# Altium PCB PowerAMP.PcbDoc (part 4 of 4)
Units mm, origin at the board's own origin, x right, y up, seen from the top; angles counter-clockwise.
Board outline 211.5 x 142.58 mm, 2 copper layers (Top Layer, Bottom Layer), stack 1.635 mm thick; 274 components, 177 nets, 874 pads, 679 vias.
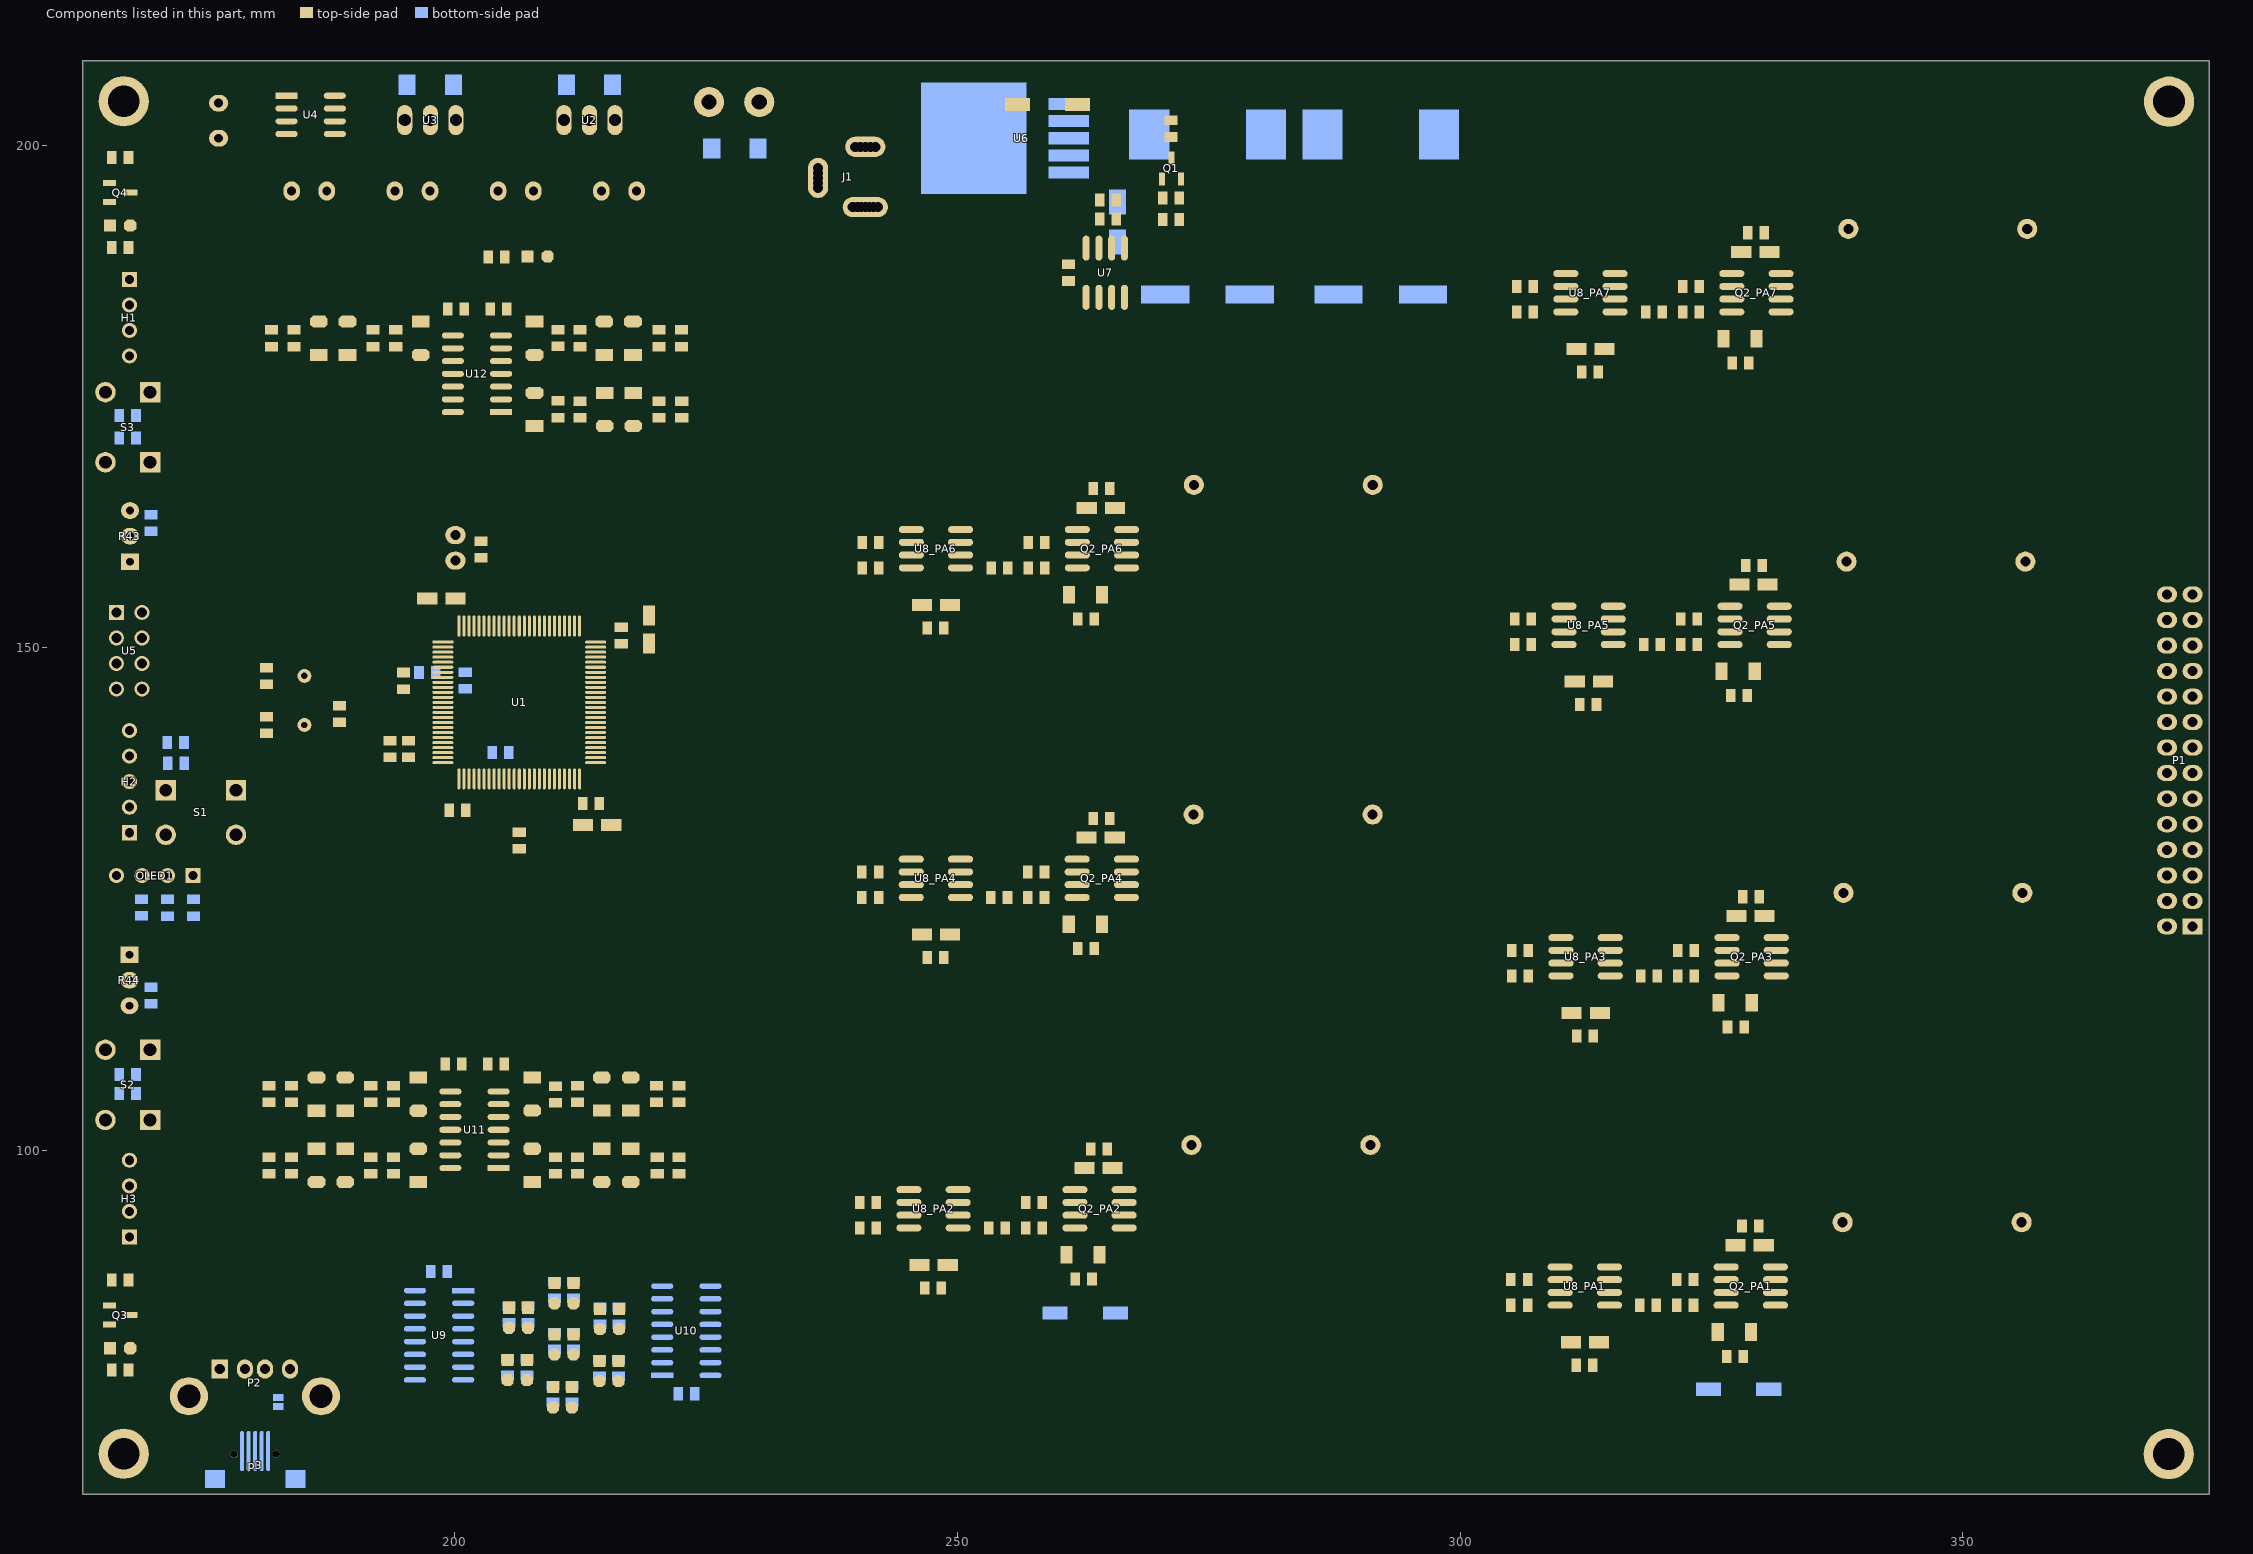
[diagram p4: the components of this part, seen from the top]

## Other copper
Top Layer:
  rectangle net GND: 302.25,154.1 324.233,160.977
  rectangle net +12: 248.508,143.844 257.875,155.75
  rectangle net GND: 237.325,161.75 259.275,168.609
  rectangle net GND: 237.332,143.844 246.857,156.036
  rectangle net coilH6: 267.766,143.743 292.531,163.743
  rectangle net GND: 276.55,182.95 298.775,187.775
  rectangle net coilH1: 332.225,70.384 357.079,90.384
  rectangle net coilH2: 267.65,78.069 292.289,98.069
  rectangle net GND: 237.075,96.075 259.061,102.935
  rectangle net GND: 237.09,78.17 246.615,90.362
  rectangle net +12: 248.266,78.17 257.675,90.05
  rectangle net +12: 313.137,103.248 322.55,115.1
  rectangle net coilH4: 267.752,110.946 292.517,130.946
  rectangle net coilH7: 332.877,169.202 357.642,189.202
  rectangle net GND: 302.425,187.2 324.414,194.068
  rectangle net GND: 302.443,169.303 311.968,181.495
  rectangle net +12: 313.619,169.303 323,181.125
  rectangle net coilH5: 332.696,136.111 357.461,156.111
  rectangle net GND: 302.262,136.212 311.787,148.404
  rectangle net +12: 313.438,136.212 322.8,148.1
  rectangle net GND: 237.3,128.95 259.289,135.812
  rectangle net GND: 237.318,111.047 246.843,123.239
  rectangle net +12: 248.494,111.047 257.9,122.9
  rectangle net coilH3: 332.395,103.147 357.16,123.147
  rectangle net GND: 301.95,121.15 323.932,128.013
  rectangle net GND: 301.961,103.248 311.486,115.44
  rectangle net GND: 301.875,88.375 323.851,95.25
  rectangle net GND: 301.88,70.485 311.405,82.677
  rectangle net +12: 313.056,70.485 322.475,82.35
  pour cut-out: 184.65,126.25 184.65,126.2 186.2,124.65 187.975,126.425 187.975,126.675 186.525,128.125
  pour cut-out: 183.537,205.9 189.125,205.9 189.125,200.8 189,200.675 183.563,200.675
  pour cut-out: 202.45,121.5 202.45,118.415 205.785,118.415 205.75,118.45 205.75,121.5
  pour cut-out: 213.878,182.593 214.041,182.43 214.041,179.508 218.438,179.508 218.403,179.543 218.403,182.618
  pour cut-out: 185.725,182.55 185.888,182.387 185.888,179.465 190.285,179.465 190.25,179.5 190.25,182.575
  pour cut-out: 185.412,99.898 185.575,99.735 185.575,96.813 189.972,96.813 189.937,96.848 189.937,99.923
  pour cut-out: 213.902,100.115 214.065,99.952 214.065,97.03 218.462,97.03 218.427,97.065 218.427,100.14
  pour cut-out: 213.65,106.975 213.813,106.812 213.813,103.89 218.21,103.89 218.175,103.925 218.175,107
  pour cut-out: 185.375,107.425 185.538,107.262 185.538,104.34 189.935,104.34 189.9,104.375 189.9,107.45
  text "Masoud Babaabasi" at 313.1,203.848 h4
  text "WPT" at 322.98,200.881 h4
  text "Winter 2021" at 317.885,197.906 h4
  text "RX" at 164.575,185.825 h1.8 r270
  text "TX" at 164.6,183.1 h1.8 r270
  text "G" at 164.431,179.6 h2.2 r270
  text "." at 198.454,152.471 h2 r270
  text "CLK" at 164.635,142.125 h2.5 r270
  text "DIO" at 164.585,136.975 h2.5 r270
  text "G" at 164.431,98.65 h2.2 r270
  text "TX" at 164.549,96.875 h1.8 r270
  text "RX" at 164.549,94.2 h1.8 r270
  text "L5" at 204.65,86.971 h3
  text "L7" at 214.175,86.976 h3
  text "L3" at 204.65,73.49 h3
  text "L1" at 214.175,73.49 h3
Bottom Layer:
  rectangle net GND: 263.55,172.15 266.05,174.7
  rectangle net GND: 261.4,169.025 264.45,173.8
  rectangle net +12: 248.508,143.844 257.9,155.725
  rectangle net GND: 237.332,143.844 246.857,156.036
  rectangle net coilH6: 267.766,143.743 292.531,163.743
  rectangle net GND: 237.325,161.75 259.25,168.609
  rectangle net GND: 256.325,173.4 267.7,176.125
  rectangle net GND: 256.775,175.075 270.275,178.175
  rectangle net GND: 253.85,180.875 267.1,191.625
  rectangle net GND: 243.95,173.4 256.95,195.575
  rectangle net GND: 255,177.675 273.25,182.95
  rectangle net GND: 269.225,179.95 275.412,182.9
  rectangle net coilH2: 267.65,78.069 292.289,98.069
  rectangle net GND: 237.075,96.075 259.061,102.935
  rectangle net GND: 237.09,78.17 246.615,90.362
  rectangle net +12: 248.266,78.17 257.65,90.05
  rectangle net coilH7: 332.877,169.202 357.642,189.202
  rectangle net GND: 302.425,187.2 324.414,194.068
  rectangle net GND: 302.443,169.303 311.968,181.495
  rectangle net +12: 313.619,169.303 323,181.125
  rectangle net coilH5: 332.696,136.111 357.461,156.111
  rectangle net GND: 302.25,154.1 324.233,160.977
  rectangle net GND: 302.262,136.212 311.787,148.404
  rectangle net +12: 313.438,136.212 322.8,148.1
  rectangle net coilH4: 267.752,110.946 292.517,130.946
  rectangle net GND: 237.3,128.95 259.289,135.812
  rectangle net GND: 237.318,111.047 246.843,123.239
  rectangle net +12: 248.494,111.047 257.9,122.9
  rectangle net coilH3: 332.395,103.147 357.16,123.147
  rectangle net GND: 301.95,121.15 323.932,128.013
  rectangle net GND: 301.961,103.248 311.486,115.44
  rectangle net +12: 313.137,103.248 322.55,115.1
  rectangle net coilH1: 332.65,70.384 357.079,90.384
  rectangle net GND: 301.875,88.375 323.851,95.25
  rectangle net GND: 301.88,70.485 311.405,82.677
  rectangle net +12: 313.056,70.485 322.425,82.325
  pour cut-out: 173.35,75.425 186.575,75.425 185.975,73.25 185,70 175,70

## Silkscreen, mask and mechanical layers (free items; w line width, h text height)
Top Solder:
  rectangle: 312.925,197.5 340.55,206.5

## Text inside footprints (layer, text, board x,y; h text height)
C1: Top Overlay "+" at 214.965,194.205 h1 r180
C2: Top Overlay "+" at 194.415,194.205 h1 r180
C3: Top Overlay "+" at 204.69,194.205 h1 r180
C5: Top Overlay "+" at 184.14,194.205 h1 r180
C6: Top Overlay "+" at 175.28,203.785 h1 r90
C7: Top Overlay "+" at 261.052,205.125 h1
C8: Bottom Overlay "+" at 272.175,186.325 h2
C9: Bottom Overlay "+" at 289.4,186.325 h2
C48: Bottom Overlay "+" at 329.802,75.125 h1 r180
C49: Bottom Overlay "+" at 264.802,82.7 h1 r180
P1: Top Overlay "2" at 370.84,119.731 h1.27 r90; Top Overlay "1" at 373.38,119.731 h1.27 r90; Top Overlay "27" at 373.38,156.815 h1.27 r90; Top Overlay "28" at 370.84,156.815 h1.27 r90
p3: Mechanical 1 "PCB EDGE" at 177.712,65.527 h0.7 r180
R43: Top Overlay "CW" at 166.456,163.716 h1 r90
R44: Top Overlay "CW" at 168.844,114.299 h1 r270